# Altium PCB DRS4-PCB.PcbDoc (part 13 of 15) (continued)
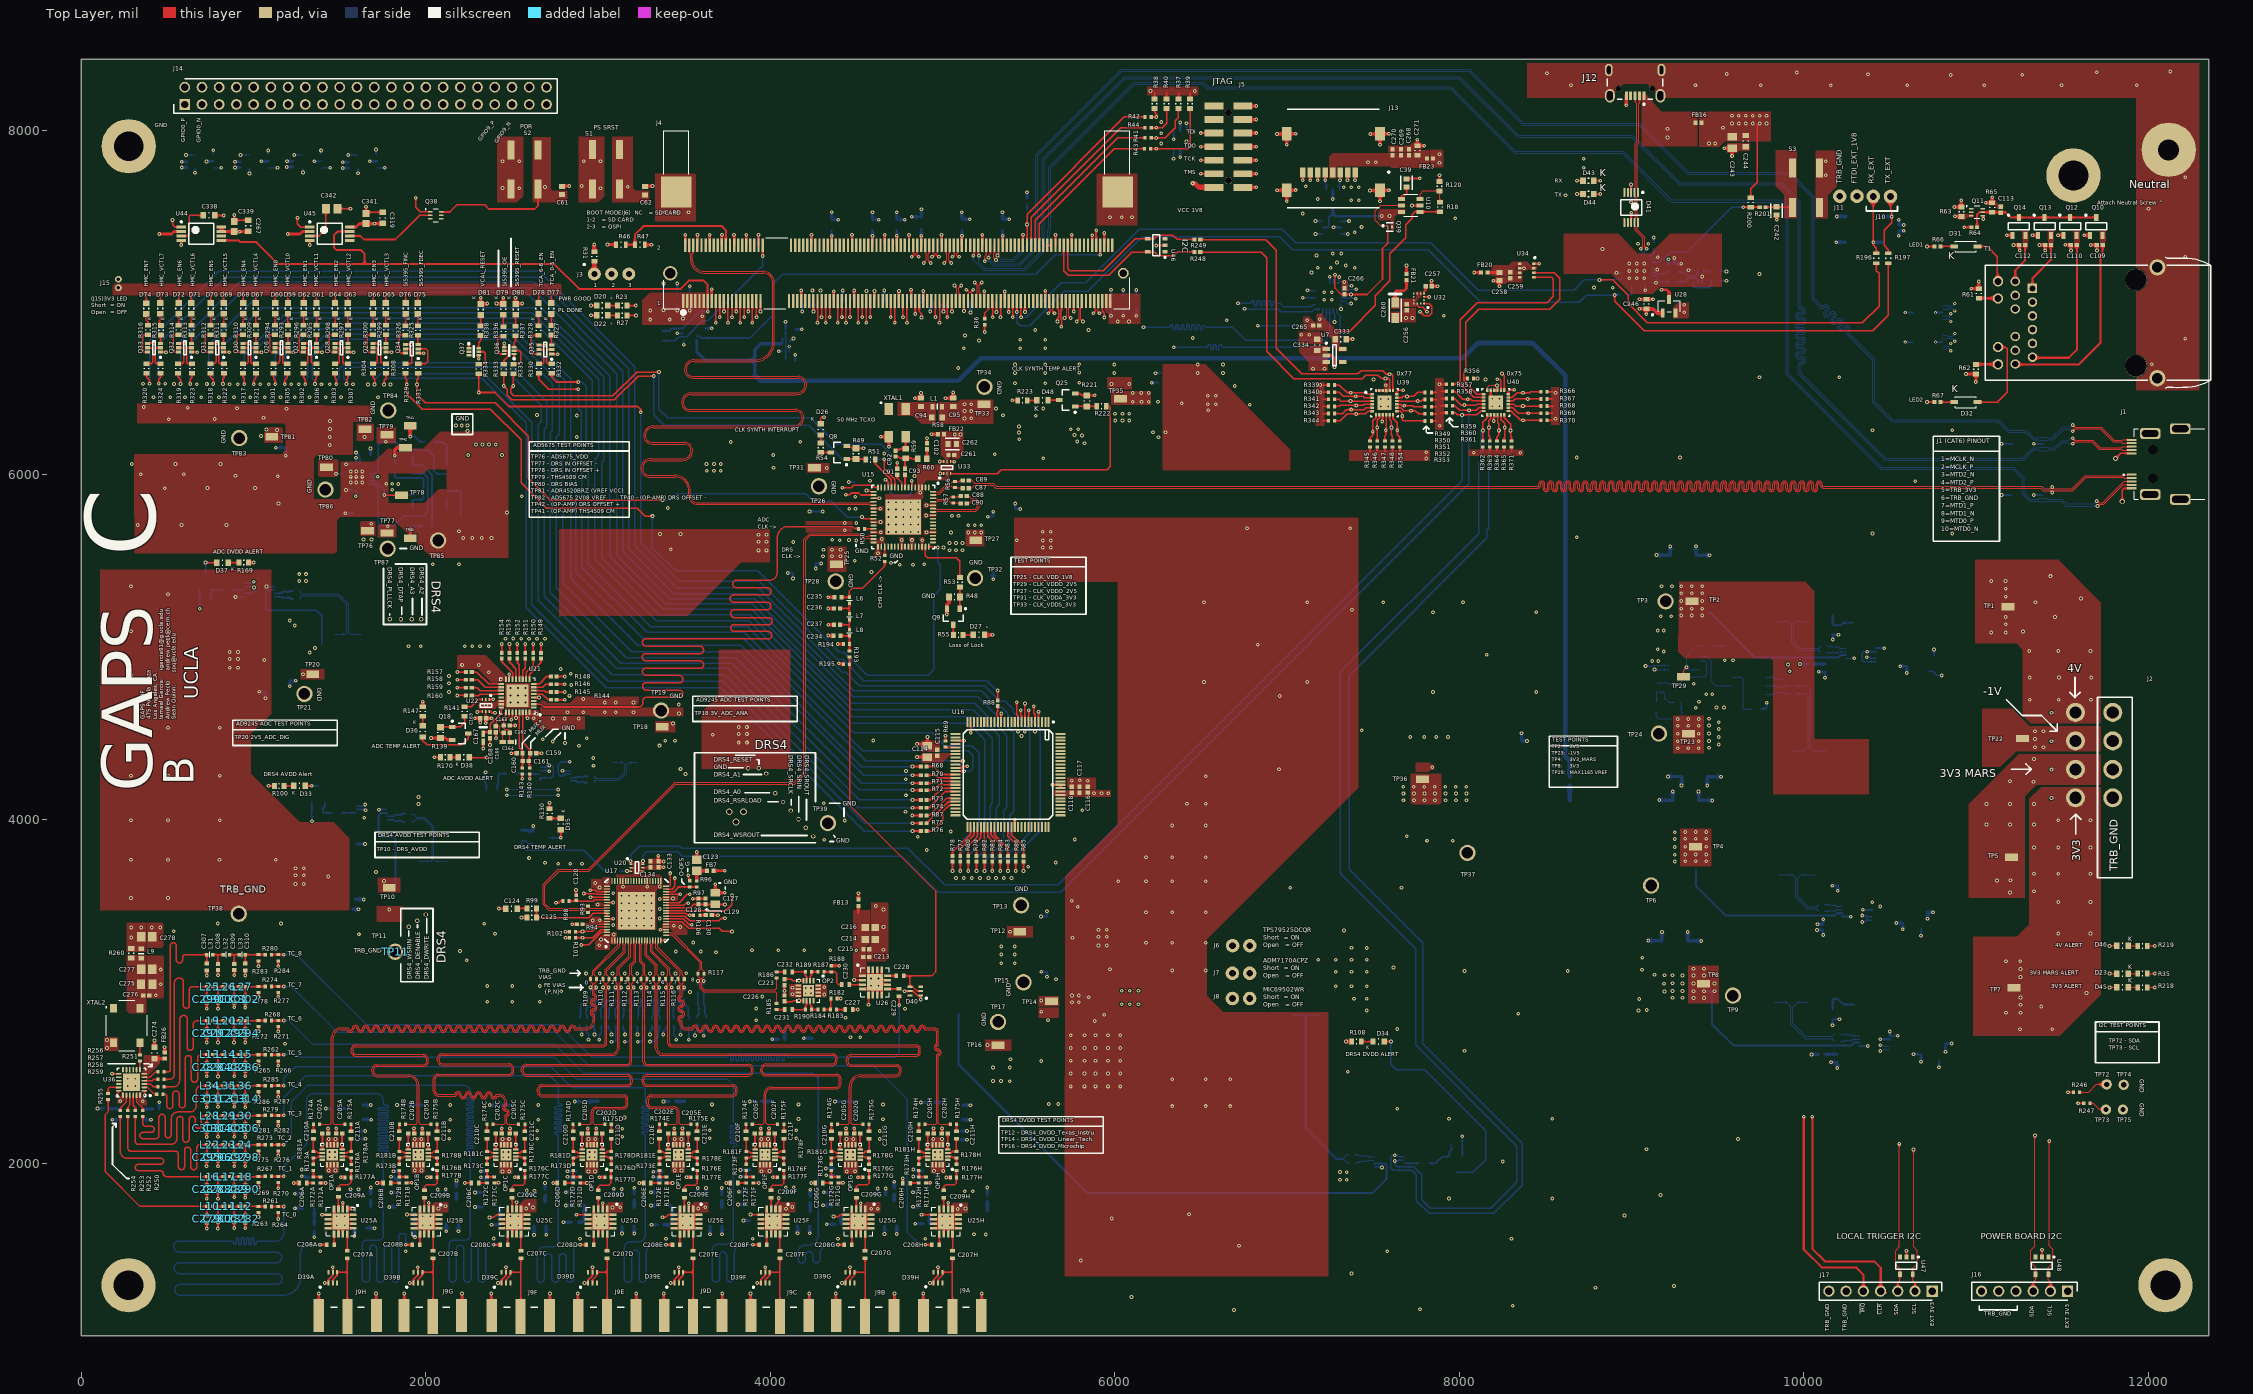
[diagram p0: Top Layer view]
## Nets (pads, with @x,y where several pads share a name; then routed paths per layer and width w, separated by ;. In a path a pad name is that pad's centre, name@x,y a point inside that pad or via, vN(x,y) a via of type N, cw(c..) or ccw(c..) an arc to the next point about the centre after c; other vN are vias at no path point) (continued)
VCC_1V0_PS: J4.42
VCC_1V8_PS: C81.1 C82.2 C83.2 C84.2 J4.94 J4.101 J4.106 J4.137 J4.146 J5.13 R31.2 R37.2 R38.2 R39.2 R40.2 R46.1 | length 5286.8
  Top Layer w5: R31.2@2977.06,7295.19 ccw(c2978.07,7295.19) R31.2@2978.07,7294.18
  Top Layer w7.87: J4.137@5241.74,7008.12 v1@5241.74,7064.95 ; 6230.35,8220.04 6230.52,8219.88 R38.2@6230.52,8180.91 ; R40.2@6299.75,8180.91 6299.75,8219.88 ; R37.2@6370.31,8179.39 6370.31,8218.35 ; R39.2@6436.42,8180.91 6436.42,8219.88
  Top Layer w11.81: J4.101@4816.58,7008.12 J4.101@4817.61,7009.12
  Top Layer w13.78: J4.94@4733.91,7331.12 v1@4733.93,7387.95 ; J4.101@4817.61,7009.12 v1@4817.61,7072.94 ; J4.106@4875.63,7331.12 v1@4875.65,7387.95 ; J4.146@5348.03,7331.12 v1@5348.05,7387.94
  Top Layer w15.75: v1(3054.4,7335.91) R46.1@3103.24,7335.91
  Top Layer w19.68: R31.2@2977.05,7295.19 v1@2977.05,7332.76
  Top Layer w27.56: v6(6451.49,7692.01) 6463.83,7692.01 6487.76,7668.08 J5.13@6575.46,7668.08
  Power Layer 10 w21.65: v1(2977.05,7335.91) v1(3054.4,7335.91) 3244.83,7335.91 3312.19,7268.55 3509.45,7268.55 3566.74,7211.26 4696.63,7211.26
  Power Layer 10 w27.56: v1@5241.74,7064.95 5241.74,7076.46 5348.03,7182.75 5348.03,7276.04 5491.77,7276.04 5549.19,7333.46 6097.74,7333.46 6141.45,7377.17 6141.45,7544.47 6141.45,7690.89 ; 5348.03,7276.96 v1@5348.03,7387.95 ; v6(6451.49,7692.01) 6142.57,7692.01 6141.45,7690.89 ; v1@6463.19,8228.83 6206.06,8228.83 6157.6,8228.83 6141.45,8212.69 6141.45,7690.89
  Bottom Layer w9.8: C82.2@5348.03,7417.13 C82.2@5348.5,7417.6
  Bottom Layer w15.75: v1@4733.9,7387.97 C84.2@4733.9,7417.6 ; v1@4875.65,7387.95 C81.1@4875.63,7428.38 ; v1@5348.03,7387.95 C82.2@5348.03,7417.13
  Bottom Layer w19.68: C83.2@4816.1,7003.82 v1@4816.1,7072.94
  other v1: 5241.97,7064.95 4816.81,7072.94 4734.17,7387.95 4875.87,7387.95 5348.27,7387.95 6206.06,8227.73 6463.19,8227.76
VCC_1V35: J4.41
VCC_3V3: C3.1 C4.1 C63.1 C64.1 C65.1 C74.1 C75.1 C76.1 C267.1 C319.1 C339.1 C341.1 D24.5 F5.1 FB2.2 J4.1 J4.3 J4.5 J4.7 J4.9 J4.11 J4.197 J4.199 TP4.1 U14.8 U44.2 U44.7 U44.8 U45.2 U45.8 | length 1984.6
  Top Layer w15.75: v1(451.94,7396.81) 522.49,7396.81 537.47,7411.79 U44.2@580.3,7411.81 ; U44.8@812.58,7437.4 U44.7@812.58,7411.81 C339.1@887.17,7411.79 918.82,7411.79 v1(919.94,7410.68) 920.86,7411.6 968.07,7411.6 C267.1@968.99,7412.52 ; v1(1197.53,7396.83) 1268.07,7396.83 1283.06,7411.81 U45.2@1325.88,7411.81 ; U45.8@1558.17,7437.4 1595.37,7437.4 1615.33,7457.36 C341.1@1652.74,7457.36 v1(1702.05,7457.36) 1702.63,7457.94 1747.7,7457.94 C319.1@1748.28,7458.52
  Bottom Layer w10: v1(3379.92,6956.38) C75.1@3379.93,6998.82 ; v1(3459.72,6952.72) C74.1@3459.72,6998.82 ; v1(3532.2,6952.72) C76.1@3532.2,6992.66 ; v1(5977.24,6922.93) C65.1@5977.23,6959.41 ; v1(6049.09,6922.93) C64.1@6049.11,6969.02 ; v1(6124.53,6922.93) C63.1@6124.53,6971.39
  Bottom Layer w11.81: 9374.44,3707.46 9374.44,3610.99 9543.74,3441.69 10179.72,3441.69 10192,3453.97 U14.8@10222.07,3453.97
  Bottom Layer w15.75: D24.5@6378.82,7993.41 v1@6378.83,8048.02
  other v1: 9249.94,3754.64 9311.05,3756.27 9372.19,3756.27 9433.1,3756.27 9249.94,3794.01 9311.05,3795.64 9372.19,3795.64 9433.1,3795.64 9249.94,3838.22 9311.05,3839.85 9433.1,3839.85 9249.94,3884.56 9311.05,3886.19 9372.19,3886.19 9433.1,3886.19 9249.94,3923.93 9311.05,3925.56 9372.19,3925.56 9433.1,3925.56 6016.33,6889.92 6082.3,6889.92 3302.6,6900.31 3415.78,6900.31 3493.15,6906.45 3604.13,6919.57 3302.6,6952.72 6378.82,8045.12
VCC_BAT: J4.200
VCC_IO_B34: C56.2 C66.1 C67.2 C68.2 C69.2 C70.1 C71.2 C72.2 C73.2 J4.53 J4.62 J4.73 J4.82 J4.117 J4.126 Q5.2 Q5.5 R25.1 R26.1 TP35.1 U13.4 | length 848.2
  Top Layer w11.81: v1@4249.71,6947.37 J4.53@4249.7,7008.12 ; v1(5005.56,6947.36) J4.117@5005.55,7008.1
  Top Layer w13.78: J4.62@4355.99,7331.12 v1@4356.01,7387.95 ; J4.73@4485.9,7008.12 v1@4485.91,7069.13 ; J4.82@4592.19,7331.12 v1@4592.21,7387.95 ; J4.126@5111.83,7331.12 v1@5111.85,7387.95
  Bottom Layer w9: Q5.5@4088.62,6711.9 Q5.2@4088.62,6776.9
  Bottom Layer w9.84: R26.1@4088.31,6664.1 Q5.5@4088.31,6711.9 ; Q5.2@4088.31,6776.9 R25.1@4088.31,6843.83
  Bottom Layer w11.81: v1(4087.99,6887.56) 4087.99,6844.32 4088.39,6843.92 R25.1@4088.31,6843.83 ; v1@4249.72,6947.36 v1@4250.06,6947.03 ; v1@4355.99,7387.95 C69.2@4355.98,7417.6
  Bottom Layer w15.75: v1@4250.06,6947.03 C67.2@4250.06,7004.09 C67.2@4250.06,7006.79 ; v1@4592.2,7387.97 C72.2@4592.2,7417.6 ; v1@5111.85,7387.95 5111.85,7417.96 C73.2@5111.94,7418.06
  Bottom Layer w19.68: C68.2@4485.08,7004.09 v1@4485.08,7069.13 ; C71.2@5004.81,7003.82 5004.81,6948.11 v1(5005.56,6947.36)
  other v1: 6104.35,6423.15 6153.98,6423.15 6197.02,6423.15 6249.91,6423.15 6104.35,6474.53 6152.87,6474.53 6197.02,6474.53 4249.96,6947.36 4486.14,7069.13 4356.22,7387.95 4592.44,7387.95 5112.09,7387.95
VDD_MARS_3V3: C51.2 C52.1 C53.1 C77.1 C78.2 C79.2 C80.2 D20.2 D21.1 D22.2 FB5.2 R21.1 TP36.1 U13.2 | length 3460.2
  Top Layer w7.87: v1(2958.26,6925) 2990.53,6924.99 2990.87,6925.34 D22.2@2991.72,6924.49 ; v1@2958.26,6983.67 2990.27,6983.67 D20.2@2991.81,6982.13
  Power Layer 9 w15: v1(2958.26,6982.13) v1(2958.26,6925) 3194.26,6689 3619,6689 3715.07,6592.93 4874.07,6592.93 4958.31,6508.69 4958.31,6369.95 5042,6286.26 5362.26,6286.26 5392,6316 5494,6316 5520,6290 5593,6290 5642,6339 5904,6339
  other v1: 7674.78,4109.95 7735.92,4109.95 7796.83,4109.95 7857.97,4109.95 7918.88,4109.95 7980.02,4109.95 8040.92,4109.95 7674.78,4149.32 7735.92,4149.32 7796.83,4149.32 7857.97,4149.32 7918.88,4149.32 7980.02,4149.32 8040.92,4149.32 7674.25,4188.55 7735.39,4188.55 7796.3,4188.55 7857.44,4188.55 7918.35,4188.55 7979.49,4188.55 8040.39,4188.55 6001.43,6314.06 6044.45,6314.06 6083.61,6314.06 6000.97,6354.33 6044.45,6354.33 6083.61,6354.33
VMON_1V2: J4.198
VOUT: J4.89
VOUT+: OP3.10 TP78.1 U37.19 | length 427.2
  Top Layer w8: v1(1758.02,5881.94) 1856.32,5881.94 TP78.1@1858.27,5880
  Bottom Layer w8: U37.19@1671.18,5966.3 1704.45,5966.3 1758.02,5912.73 v1(1758.02,5881.94) 1759.53,5880.43 1917.73,5880.43 1922.42,5885.12 OP3.10@1922.42,5904.47
VOUT-: OP3.12 TP77.1 U37.20 | length 893
  Bottom Layer w8: U37.20@1671.18,5946.61 1700.39,5946.61 1723,5924 1723,5715.36 1736.9,5701.47 v1(1777.9,5701.47) 1811.67,5701.47 1870.2,5760 1986,5760 2011,5785 2011,5981 1986.33,6005.67 OP3.12@1922.42,6005.67
XA: C93.2 U15.8 | length 73.8
  Top Layer w9.84: U15.8@4781.8,5926.47 C93.2@4781.81,6000.3
pads on no net: J1.11 J1.12 J5. J12. T1.MH1 T1.MH2 U15.5 U38.1 U38.3 U38.5 U38.7 U38.8

## Polygon pours and split planes (outlines as drawn)
-1V_IN on Bottom Layer "Power Layer 9-No Net 4" (solid, pour order 2540): 11310.03,4540.72 11204,4540.72 11204,4394.35 11231.85,4394.35 11722.59,4394.36 11722.59,4540.72
+3V3_SPM15 on Bottom Layer "Power Layer 9-No Net 3" (solid, pour order 2538): 11723.21,4376.29 11246.37,4376.29 10956.99,4086.91 10956.99,3543 11283.18,3543.01 11283.18,4133.9 11348.54,4199.26 11723.21,4199.26
+3V3_IN on Bottom Layer "Power Layer 9-No Net 1" (solid, pour order 2536): 11376.67,4184.39 11723.52,4184.4 11723.52,2979.84 11485.86,2742.17 11069.64,2742.17 11069.64,3318.52 11236.28,3318.52 11306.78,3389.01 11306.78,4119.39
+4V_IN on Bottom Layer "Power Layer 9-+4V_IN" (solid, pour order 2534): 11234.3,5021.46 11271.62,4984.14 11271.62,4603.92 11317.82,4557.72 11724.45,4557.72 11724.65,5257.26 11476.39,5505.51 11069.96,5505.51 11069.96,5021.46
TRB_GND on Bottom Layer "Bottom Layer-GND 30" (solid, pour order 2480): 29 vertices, not listed, extent 105.39,3320.44 1617.51,6409
TRB_GND on Bottom Layer "Bottom Layer-GND 68" (solid, pour order 848): 5828.77,2977.06 5852.71,2977.06 5854.13,2975.64 5854.13,2960.29 5851.66,2957.82 5816.44,2957.82 5816.44,2977.06
DRS4_2V5_ADM on Bottom Layer "Bottom Layer-NetC21_2" (solid, pour order 842): 17 vertices, not listed, extent 5809.43,2898.61 6152.82,3019.52
2V5_REF on Bottom Layer "Bottom Layer-2V5_REF" (solid, pour order 742): 1473.72,6244.46 1591.51,6244.46 1626.1,6209.86 1626.1,6042.58 1643.61,6042.58 1643.61,6064.46 1659.39,6080.23 1659.39,6280.7 1643.79,6296.29 1473.72,6296.29
NetR34_2 on Bottom Layer "Bottom Layer-NetR25_2" (solid, pour order 362): 10482.63,3475.96 10482.63,3429.72 10440.45,3429.72 10425.79,3444.39 10364.37,3444.39 10364.37,3462.6 10428.84,3462.6 10441.93,3475.69
USB_VCC on Bottom Layer "Bottom Layer-USB_VCC" (solid, pour order 64): 9230.26,7239.93 9191.21,7239.92 9173.96,7222.67 9105.85,7222.67 9105.85,7204.09 9155.38,7204.09 9230.26,7204.09
TRB_GND on Bottom Layer " " (solid, pour order 2524): 23 vertices, not listed, extent 1789.12,4524 3199.65,5402.88
"3V ADC" on Bottom Layer "Bottom Layer-ADC_AVDD" (solid, pour order 500): 2959.07,4600.16 2712.4,4600.16 2686.76,4625.81 2468.5,4625.81 2468.5,4516 2959.07,4516
NetF4_2 on Bottom Layer "Bottom Layer-NetF4_2" (solid, pour order 2646): 10566,4344 10490.74,4419.26 10263.07,4419.26 10228.65,4453.68 10062.73,4453.68 10062.73,4538 10218.3,4538 10230.57,4550.26 10547,4550.26 11102,4550.26 11102,4344
TRB_GND on Bottom Layer "TRB_GND_L12_P2643" (solid, pour order 2643): 9166,4928 9160,4932 9114,4932 9108,4926 9108,4912 9114,4906 9163.24,4906 9168.24,4911 9247,4911 9247,4928
TRB_GND on Bottom Layer "TRB_GND_L12_P2642" (solid, pour order 2642): 9245,5052 9245,5110 9136,5110 9136,5052
3.3V on Bottom Layer "3.3V_L12_P2641" (solid, pour order 2641): 9139,5025.14 9139,4971.69 9174.69,4936 9246,4936 9246,5025.14
TRB_GND on Bottom Layer "TRB_GND_L12_P2640" (solid, pour order 2640): 9393,4698 9388.3,4703 9388.3,4735.68 9361,4735.68 9361,4703 9360,4703 9355,4698 9313,4698 9313,4616 9406,4616 9406,4698
TRB_GND on Bottom Layer "TRB_GND_L12_P2637" (solid, pour order 2637): 9555,4700 9475,4700 9475,4635 9555,4635
TRB_GND on Bottom Layer "TRB_GND_L12_P2639" (solid, pour order 2639): 9565,4940.12 9554,4951.12 9554,4982 9518.73,4982 9518.73,4939.98 9518.73,4863 9626,4863 9626,4940.12
3.3V on Bottom Layer "3.3V_L12_P2638" (solid, pour order 2638): 9904,4840 9890.77,4853.23 9844.77,4853.23 9835,4863 9735,4863 9735,4889 9873,4889 9898.06,4914.06 9928.94,4914.06 9940,4903 9940,4852 9928,4840
3.3V on Bottom Layer " " (solid, pour order 2510): 7135,2922.02 7332.52,2922.02 7410.94,2843.6 7515.18,2843.6 7515.18,3289.31 7346.41,3289.31 7309.69,3252.59 7135,3252.59
NetJ6_1 on Bottom Layer " " (solid, pour order 2504): 7080,3253.02 6913.73,3253.02 6835.31,3331.44 6731.07,3331.44 6731.07,2885.73 6899.84,2885.73 6936.56,2922.45 7080,2922.45
ADC_AVDD on Bottom Layer " " (solid, pour order 2286): 2988.74,4384.43 2988.74,4482.86 2965.3,4505.66 2965.3,4597.59 3135.91,4597.59 3135.91,4384.43
ADC_DVDD on Bottom Layer " " (solid, pour order 2284): 1742.1,4867.88 1731.65,4867.88 1708.39,4891.14 1708.39,5019.36 1570.15,5019.37 1569.85,4811.26 1742.1,4810.89
2V5_DRS_ANA on Bottom Layer "Bottom Layer-2V5_DRS_ANA" (solid, pour order 554): 2015,3700 1807.14,3700 1746.05,3638.92 1629.21,3638.92 1446.84,3638.92 1446.84,3593.25 1547.62,3593.23 1578.62,3562.24 1669.38,3562.24 1745.73,3493.04 2015,3493.04
2V5_ADC_DIG on Bottom Layer "Bottom Layer-2V5_ADC_DIG" (solid, pour order 528): 1340.07,4900.6 1388.34,4948.86 1388.33,5020.2 1520,5020.2 1520,4811.32 1269.99,4811.32 1235.69,4845.62 1060.16,4845.62 1060.12,4900.46
3V_ADC_ANA on Bottom Layer "Bottom Layer-3V_ADC_ANA" (solid, pour order 504): 3188.34,4382.8 3306.72,4382.8 3306.72,4505.03 3318.85,4517.39 3653.41,4517.39 3647.94,4522.86 3647.94,4564.95 3481.63,4564.95 3453.12,4593.45 3188.34,4593.45
DRS4_AVDD on Bottom Layer "Bottom Layer-DRS4_AVDD" (solid, pour order 466): 2869.4,3457.22 2895.63,3457.22 2936.45,3416.41 2936.45,3246.49 3028.86,3246.49 3028.86,3666.07 2546.86,3666.07 2513.28,3699.65 2065,3699.65 2065,3486.26 2405.16,3486.26 2434.65,3457.23
3.3V on Bottom Layer "Bottom Layer-3.3V 7" (solid, pour order 388): 20 vertices, not listed, extent 9311.05,4620 9625,4804
NetFB4_1 on Bottom Layer "Bottom Layer-NetFB4_1" (solid, pour order 296): 9839.1,4405.1 9848,4414 9848,4441.91 9859.77,4453.68 9998,4453.68 9998,4534.6 9926.26,4534.6 9879.26,4581.6 9771.26,4581.6 9771.26,4405.1
NetFB3_1 on Bottom Layer "Bottom Layer-NetFB4_1" (solid, pour order 274): 9759.62,2988.1 9702.81,3044.9 9645.23,3044.9 9645.23,3227.53 9901,3227.53 9901,2988.1
NetD7_1 on Bottom Layer "Bottom Layer-3V3_BUS" (solid, pour order 272): 9960.54,3226.7 10345.48,3226.7 10345.48,3070.5 10197.87,3070.5 10117.17,2989.8 9960.54,2989.8
NetFB2_1 on Bottom Layer "Bottom Layer-NetFB4_1" (solid, pour order 290): 9748.29,3774.71 9793,3730 9923.44,3730 9923.44,3951.21 9664.3,3951.21 9664.3,3774.71
NetD6_1 on Bottom Layer "Bottom Layer-3V3_BUS" (solid, pour order 284): 9993.8,3730.57 9992.57,3729.34 10120.87,3729.34 10188.85,3797.32 10352.86,3797.32 10353.28,3953.96 9993.8,3953.96
NetFB1_1 on Bottom Layer "Bottom Layer-NetFB4_1" (solid, pour order 324): 9902,5414.71 9648,5414.71 9648,5186.89 9740.58,5186.89 9762.18,5208.49 9902,5208.49
NetD5_1 on Bottom Layer "Bottom Layer-3V3_BUS" (solid, pour order 322): 9966,5385 10358.5,5385 10358.5,5279.66 10169.76,5279.66 10096.1,5206 9966,5206
4V on Bottom Layer "Bottom Layer-3.3V 18" (solid, pour order 708): 5844,6236.73 5779.86,6301.4 5473.47,6301.4 5473.47,6256.83 5704.83,6256.83 5758.25,6203.41 5758.25,6150 5844,6150
TRB_GND on Bottom Layer "Bottom Layer-GND 34" (solid, pour order 520): 3826.83,4626.49 4251.2,4202.12 4251.2,3967.53 3916.73,3967.53 3658.32,3967.53 3658.32,4460.19 3651.29,4467.22 3543.41,4467.22 3533.59,4457.4 3479.38,4457.4 3452.36,4484.42 3452.36,4512.79 3654.67,4512.79 3654.84,4626.38
TRB_GND on Bottom Layer "Bottom Layer-GND 53" (solid, pour order 614): 4869.58,5528.36 4915.05,5528.36 4915.21,5475.42 4908.31,5468.52 4874.54,5468.52 4869.58,5476.57
DRS4_DVDD on Bottom Layer "Bottom Layer-GND 27" (solid, pour order 2514): 41 vertices, not listed, extent 3374.85,2623.88 5746.04,3729.28
TRB_GND on Bottom Layer " " (solid, pour order 2454): 36 vertices, not listed, extent 1513.05,2851.31 4573.43,3689.39
TRB_GND on Bottom Layer "Bottom Layer-GND 38" (solid, pour order 502): 2616.13,4509.1 2825.25,4509.1 2944.38,4509.1 2944.62,4401.78 2737.18,4401.78 2694.97,4443.99 2616.13,4443.99
TRB_GND on Bottom Layer "Bottom Layer-No Net 18" (solid, pour order 972): 3560.45,6831.06 3573.07,6831.06 3608.87,6866.86 3645.78,6866.86 3645.78,6812.65 3559.9,6812.65 3560.45,6813.2
NetC197D_1 on Bottom Layer "Bottom Layer--1V 7" (solid, pour order 1332): 2996.72,1724.48 2996.72,1924.64 3023.42,1952.3 3023.42,1975.16 2887.09,1975.16 2887.09,1896.9 2884.9,1894.72 2885.07,1724.48
TRB_GND on Bottom Layer "Bottom Layer-GND 98" (solid, pour order 1388): 4082.02,2222.32 4093.08,2211.26 4093.08,2121.02 4192.88,2121.02 4192.88,2385.75 4082.02,2385.75
TRB_GND on Bottom Layer "Bottom Layer-GND 98" (solid, pour order 1362): 3578.91,2224.05 3589.97,2212.99 3589.97,2122.76 3689.77,2122.76 3689.77,2385.05 3578.91,2385.05
TRB_GND on Bottom Layer "Bottom Layer-GND 98" (solid, pour order 1338): 3075.72,2234.69 3086.78,2223.63 3086.78,2124.53 3186.58,2124.53 3186.58,2394.17 3075.72,2394.17
TRB_GND on Bottom Layer "Bottom Layer-GND 98" (solid, pour order 1316): 2581.47,2223.7 2592.53,2212.64 2592.53,2126.61 2692.33,2126.61 2692.33,2379.33 2581.47,2379.33
NetC197C_1 on Bottom Layer "Bottom Layer--1V 8" (solid, pour order 1310): 2386.06,1719.52 2361.56,1719.52 2361.42,1865.28 2374.61,1878.46 2374.61,1970.2 2524.41,1970.2 2524.41,1719.52
TRB_GND on Bottom Layer "Bottom Layer-GND 98" (solid, pour order 1290): 2070.75,2223.7 2081.81,2212.64 2081.81,2126.61 2181.61,2126.61 2181.61,2379.88 2070.75,2379.88
NetC197A_1 on Bottom Layer "Bottom Layer--1V 2" (solid, pour order 1272): 1457.31,1804.38 1457.31,1672.19 1320.37,1672.19 1320.38,1707.76 1319.72,1707.76 1319.72,1857.6 1337.99,1875.87 1337.99,1992.2 1524.33,1992.2 1524.33,1871.41
NetC86_2 on Bottom Layer "Bottom Layer-NetC85_2" (solid, pour order 1080): 4563.11,6065.56 4665.1,6065.56 4681.65,6049.01 4681.65,5949.64 4646.3,5949.64 4646.1,5949.83 4646.1,5991.24 4639.46,5997.88 4564.67,5997.88 4564.66,5997.88
3.3V on Bottom Layer "Bottom Layer-3.3V 34" (solid, pour order 918): 1744.13,4068.23 1909.3,4068.23 1909.68,4067.86 1988.84,4067.86 1988.85,4107.83 1913.68,4107.83 1913.3,4108.21 1909.31,4104.22 1815.94,4104.22 1804.21,4092.49 1744.13,4092.49
NetC323_1 on Bottom Layer "Bottom Layer-3.3V 16" (solid, pour order 744): 1101.24,6187.63 1222.32,6187.63 1231.84,6197.15 1400.69,6197.15 1400.69,6246.77 1302.94,6246.77 1274.98,6274.72 1101.24,6274.72
TRB_GND on Bottom Layer "Bottom Layer-GND 33" (solid, pour order 526): 2170.06,4939.45 2182.64,4952.03 2410.45,4952.03 2410.45,5022.92 1756.93,5022.66 1756.93,4939.45
FTDI_EXT_1V8 on Bottom Layer "Bottom Layer-FTDI_EXT_1V8" (solid, pour order 252): 10422.56,7379.77 10489.06,7379.77 10489.06,7426.77 10497.06,7434.77 10564.56,7434.77 10564.56,7466.27 10538.06,7466.27 10537.56,7465.77 10422.56,7465.77
TRB_GND on Bottom Layer "TRB_GND_L12_P2620" (solid, pour order 2620): 1846,5930.07 1846,5929 1812,5895 1794.77,5895 1748,5942 1748,5966.3 1782,5966.3 1964.05,5966.3 1964.05,5930.07
TRB_GND on Bottom Layer "TRB_GND_L12_P2619" (solid, pour order 2619): 2169,5721 2411,5721 2411,5616 2169,5616
NetC326_1 on Bottom Layer "NETC326_1_L12_P2618" (solid, pour order 2618): 2411,5736 2240.69,5736 2240.69,5935 2122,5935 2122,5975 2411,5975
3.3V on Bottom Layer "Bottom Layer-3.3V 33" (solid, pour order 900): 2226.22,6038 2226.22,6216.37 2225.01,6217.58 2462.27,6217.58 2463.78,6219.09 2463.78,6038
NetC197E_1 on Bottom Layer "Bottom Layer--1V 6" (solid, pour order 1364): 3385.99,1716.73 3385.81,1894.72 3387.99,1896.9 3387.99,1975.16 3524.33,1975.16 3524.33,1716.73
NetR216_2 on Bottom Layer "Bottom Layer-NetR209_2" (solid, pour order 396): 10502.46,4980.61 10470.96,4980.61 10452.66,4962.3 10388.48,4962.3 10388.48,4944.69 10452.95,4944.39 10471.65,4925.69 10502.46,4925.69
NetR215_2 on Bottom Layer "Bottom Layer-NetR208_2" (solid, pour order 336): 10578.5,2723.29 10578.5,2677.5 10579,2677 10545,2677 10527.5,2694.5 10470,2694.5 10470,2711.5 10535.71,2711.5 10547.5,2723.29
NetC197G_1 on Bottom Layer "Bottom Layer--1V 4" (solid, pour order 1420): 4480.91,1670.58 4480.91,1763.9 4554.37,1837.37 4554.37,2005.81 4386.93,2005.81 4386.93,1871.85 4386.93,1670.58
NetC197F_1 on Bottom Layer "Bottom Layer--1V 5" (solid, pour order 1384): 3982.24,1644.53 3982.24,1753.18 4031.61,1802.71 4031.61,2004.35 3897,2004.35 3897,1644.53
DRS4_2V5_MIC on Bottom Layer "Bottom Layer-NetC18_2" (solid, pour order 822): 5324.02,2572.65 5706.71,2572.65 5707.49,2573.43 5707.49,2470.65 5708.4,2469.74 5610.67,2469.74 5588.65,2491.76 5431.63,2491.76 5400.83,2460.96 5277.51,2460.96 5271.04,2467.44 5271.04,2564.46 5279.22,2572.65
3.3V on Bottom Layer "Bottom Layer-3.3V" (solid, pour order 276): 9534.1,3233.97 9534.1,2948.06 9444.98,2948.06 9357.5,2860.58 9009.1,2860.58 9009.1,3233.97
4V on Bottom Layer "Bottom Layer-3.3V" (solid, pour order 326): 9439.28,5462.42 9501.15,5400.56 9539.94,5400.56 9539.94,5218.56 9540.94,5217.56 9484.98,5217.56 9401.13,5133.71 9124.53,5133.71 9124.53,5462.42
VCC_3V3 on Bottom Layer "Bottom Layer-3.3V" (solid, pour order 292): 9462,4048.59 9462,4016.55 9528.05,3950.5 9566,3950.5 9566,3768.5 9567,3767.5 9511.04,3767.5 9438.54,3695 9078.44,3695 9078.44,4048.59
NetC197H_1 on Bottom Layer "Bottom Layer--1V 3" (solid, pour order 1444): 4987.46,1677.94 4987.46,1766.5 5073.13,1852.17 5073.72,1879.49 5073.72,1980.28 4902.09,1980.28 4902.09,1868.58 4896.81,1863.31 4896.81,1677.94
NetC196H_1 on Bottom Layer "Bottom Layer-4V 3" (solid, pour order 1440): 4883.58,2223.15 4981.14,2320.7 4981.14,2391.1 5079.25,2391.1 5079.25,2222.01 5087.72,2213.54 5087.72,2118.86 4883.58,2118.86
NetC196G_1 on Bottom Layer "Bottom Layer-4V 4" (solid, pour order 1416): 4382.87,2239.13 4480.55,2336.81 4480.55,2393.8 4577.36,2393.8 4579.37,2213.5 4584.13,2208.74 4584.13,2123.5 4583.66,2123.03 4383.43,2123.03 4382.87,2123.58
NetC196F_1 on Bottom Layer "Bottom Layer-4V 5" (solid, pour order 1386): 3888.07,2229.24 3986.32,2327.49 3986.32,2388.01 4084.57,2387.31 4084.57,2213.5 4089.33,2208.74 4089.33,2123.5 4088.86,2123.03 3888.62,2123.03 3888.07,2123.58
NetC196E_1 on Bottom Layer "Bottom Layer-4V 6" (solid, pour order 1360): 3385,2234.67 3483.25,2332.91 3483.25,2384.58 3581.5,2384.58 3581.5,2213.5 3586.26,2208.74 3586.26,2123.5 3585.79,2123.03 3385.55,2123.03 3385,2123.58
NetC196D_1 on Bottom Layer "Bottom Layer-4V 7" (solid, pour order 1336): 2881.61,2236.64 2966.13,2321.17 2966.13,2396.02 2982.87,2396.02 3070.83,2396.02 3070.83,2239.76 3082.72,2227.87 3082.72,2124.29 2881.85,2124.29
NetC196C_1 on Bottom Layer "Bottom Layer-4V" (solid, pour order 1314): 2388.25,2237.37 2473.38,2322.5 2473.38,2377.83 2567.13,2377.83 2567.13,2226.57 2588.31,2205.39 2588.31,2126.74 2388.25,2126.74
NetC196A_1 on Bottom Layer "Bottom Layer-4V 2" (solid, pour order 1276): 1512.14,2377.32 1512.14,2290.84 1408.66,2187.37 1407.72,2166.35 1407.72,2126.58 1428.11,2126.61 1598.82,2126.61 1598.62,2127.28 1598.62,2377.32
NetC217_1 on Bottom Layer "Bottom Layer-4V 1" (solid, pour order 1142): 4151.89,2752.79 4016.93,2752.79 4016.93,3040.98 4151.89,3040.98 4151.89,2925.16
3.3V on Bottom Layer "Bottom Layer-3.3V 34" (solid, pour order 924): 2810.67,4288.23 2975.85,4288.23 2976.22,4287.86 2991.93,4287.86 2991.93,4324.22 2983.85,4324.22 2979.66,4324.22 2975.85,4324.22 2882.48,4324.22 2870.75,4312.49 2810.67,4312.49
3.3V on Bottom Layer "Bottom Layer-3.3V 20" (solid, pour order 668): 5333.17,5587.58 5438.74,5587.58 5438.74,5549.66 5336.85,5549.66 5325.59,5538.4 5002.33,5538.4 5002.33,5621.69 5001.95,5622.07 5239.31,5622.07 5273.81,5587.58
TRB_GND on Bottom Layer "Bottom Layer-GND 44" (solid, pour order 666): 7056.92,5140.19 6231.88,4315.15 5701.17,4315.15 5701.17,4705.64 5476.54,4930.26 5476.54,5080.46 5476.54,5591.37 5473.31,5594.6 5321.5,5594.6 5269.77,5595.52 5269.77,5649.74 5476.54,5649.74 5476.54,5943 7056.92,5943
CLK_VDDO_2V5 on Bottom Layer "Bottom Layer-CLK_VDDO_3V3" (solid, pour order 590): 4566.17,5906.84 4566.17,5777.25 4656.19,5777.25 4656.19,5906.84
NetC197B_1 on Bottom Layer "Bottom Layer--1V" (solid, pour order 572): 1959.46,1682.95 1959.46,1778.57 2032.05,1851.41 2032.05,1977.94 1866.34,1977.94 1866.34,1806.3 1866.34,1682.95
NetC196B_1 on Bottom Layer "Bottom Layer-4V" (solid, pour order 570): 1878.8,2220.01 1946.8,2288.01 1946.8,2380.98 2057.68,2380.98 2057.68,2226.57 2078.86,2205.39 2078.86,2126.74 1878.8,2126.74
VDD_MARS_3V3 on Bottom Layer "Bottom Layer-VDD_MARS_3V3" (solid, pour order 416): 7742.98,4410.72 7626.22,4410.72 7626.22,4342.23 7626.22,3992.29 8067.58,3992.29 8067.58,4410.73
NetF1_2 on Bottom Layer "Bottom Layer-NetF3_2" (solid, pour order 328): 10410,5052.38 10431.78,5052.38 10457.66,5023.88 10944.6,5023.88 10944.6,5503.8 10410,5503.8
NetD19_1 on Bottom Layer "Bottom Layer-NetCR5_1" (solid, pour order 414): 8485.34,4405.11 8485.34,3661.86 8101.1,3661.86 8101.09,4157.89 8140.73,4157.88 8163.21,4180.37 8163.22,4405.11
NetC55_1 on Bottom Layer "Bottom Layer-NetC60_1" (solid, pour order 412): 8719.75,3949.43 8705.6,3963.58 8570.77,3963.58 8570.77,4154.63 8719.98,4154.63 8719.98,4049.7 8749.9,4019.78 8818.6,4019.78 8818.6,3964.07 8819.09,3963.58 8766.34,3963.58 8752.19,3949.43
NetC55_2 on Bottom Layer "Bottom Layer-NetC60_2" (solid, pour order 410): 8766.76,3947.34 8762.53,3943.11 8571.06,3943.11 8571.06,3760.98 8738.72,3760.98 8806,3693.7 8926.08,3693.7 8927.07,3692.72 8927.07,3947.34
NetD6_2 on Bottom Layer "Bottom Layer-NetCR2_2" (solid, pour order 310): 10375.88,3741 10235.79,3741 10206.59,3770.2 10169.79,3770.2 10169.79,3646.5 10215.79,3646.5 10239.29,3670 10375.88,3670
NetF2_2 on Bottom Layer "Bottom Layer-NetF3_2" (solid, pour order 286): 10938.04,4080.5 10938.04,3560.14 10433.09,3560.14 10433.09,4080.5
NetF3_2 on Bottom Layer "Bottom Layer-NetF3_2" (solid, pour order 270): 10718.62,3279.97 10760.3,3321.65 10941.31,3321.65 10941.31,2752.9 10648.9,2752.9 10599.94,2801.86 10433.88,2801.86 10433.88,3279.97
3.3V on Bottom Layer " " (solid, pour order 2568): 1615.43,5607.98 1615.43,5689.1 1702.64,5689.1 1702.64,5607.98
3.3V on Bottom Layer " " (solid, pour order 2566): 1029.08,6274.72 1095.26,6274.72 1095.26,6186.63 1029.08,6186.63
NetC50_2 on Bottom Layer "Bottom Layer-NetC56_2" (solid, pour order 710): 5468.9,6220.93 5551.32,6220.93 5569.09,6238.7 5711.25,6238.7 5741.11,6208.84 5741.11,6158.55 5740.74,6158.17 5468.9,6158.17
NetC28_2 on Bottom Layer "Bottom Layer-NetC34_2" (solid, pour order 548): 1076.37,5000.87 1157.14,5000.87 1186.27,5030 1373.26,5030 1373.8,5030.54 1373.8,5086.5 1076.37,5086.5
3.3V on Bottom Layer "Bottom Layer-3.3V 14" (solid, pour order 546): 1073.81,4956.95 1365.92,4956.95 1373.91,4964.95 1373.91,5018.48 1182.92,5018.48 1154.82,4990.39 1073.81,4990.39
TRB_GND on Bottom Layer "Bottom Layer-GND 86" (solid, pour order 1126): 7648.29,3981.34 8021.7,3981.34 8022.2,3835.11 7648.29,3835.11
-1V on Bottom Layer "Bottom Layer-3.3V" (solid, pour order 298): 9572.85,4605 9597.5,4580.35 9661,4580.35 9661,4398.35 9662,4397.35 9606.04,4397.35 9522.19,4313.5 9221.5,4313.5 9221.5,4605
TRB_GND on Bottom Layer "Bottom Layer-GND 129" (solid, pour order 2520): 8201.41,6537.46 8136.62,6537.46 8136.62,6587.86 8201.02,6587.86
TRB_GND on Bottom Layer " " (solid, pour order 2512): 2129.07,2913.66 2161.71,2913.66 2161.71,2851.25 2129.07,2851.25
NetC8_1 on Bottom Layer "Bottom Layer-NetC11_1" (solid, pour order 556): 1426.86,3586.19 1544.62,3586.19 1556.13,3574.68 1556.13,3452.03 1480.04,3452.03 1480.04,3506.83 1426.79,3560.08
TRB_GND on Bottom Layer "Bottom Layer-GND 73" (solid, pour order 928): 7463.09,1930.1 7371.36,1930.23 7365.84,1924.71 7326.46,1924.71 7288.82,1924.71 7288.82,1891.05 7459.41,1890.72 7463.09,1894.4
TRB_GND on Bottom Layer " " (solid, pour order 2016): 22 vertices, not listed, extent 5573.7,2313.17 6701.95,4296.01
DRS4_2V5_TPS on Bottom Layer "Bottom Layer-3.3V 12" (solid, pour order 450): 5298.2,3150.64 5461.21,3150.63 5461.21,3197.58 5511.2,3197.58 5524.29,3210.67 5630.09,3210.67 5657.26,3237.84 5744.96,3237.84 5745.25,3282.72 5537.08,3282.92 5298.2,3282.91
3.3V on Bottom Layer "Bottom Layer-3.3V 23" (solid, pour order 812): 1533.16,7800.27 1634.24,7800.27 1634.24,7833.35 1579.86,7833.35 1577.27,7835.94 1533.19,7835.94
3.3V on Bottom Layer "Bottom Layer-3.3V 24" (solid, pour order 804): 1211.4,7805.51 1314.53,7805.51 1314.53,7829.7 1310.69,7833.54 1256.32,7833.54 1253.73,7836.12 1211.42,7836.12
TRB_GND on Bottom Layer "Bottom Layer-GND 41" (solid, pour order 740): 1581.94,5855.1 1581.94,5833.35 1551.87,5803.28 1551.87,5746.77 1607.88,5746.77 1607.88,5855.1
VCC_IO_B34 on Bottom Layer "Bottom Layer-GND 75" (solid, pour order 2402): 4987.52,6974.63 4987.52,7036.91 5119.6,7036.91 5119.6,6974.63
NetC192G_2 on Bottom Layer "Bottom Layer-3.3V 38" (solid, pour order 1424): 4573.35,1747.95 4572.69,1798.96 4759.02,1798.96 4759.02,1667.01 4573.35,1667.84
NetC192F_2 on Bottom Layer "Bottom Layer-3.3V 39" (solid, pour order 1390): 4148.5,1806.35 4202.39,1752.46 4253.77,1752.46 4253.77,1670.64 4066.97,1670.64 4066.97,1806.35
NetC192D_2 on Bottom Layer "Bottom Layer-3.3V 41" (solid, pour order 1340): 3149.38,1800.03 3184.42,1765 3241.25,1765 3241.25,1670.32 3068.54,1670.32 3068.54,1800.03
NetC192C_2 on Bottom Layer "Bottom Layer-3.3V 42" (solid, pour order 1318): 2724.27,1740.45 2707.01,1757.7 2707.01,1791.81 2655.94,1791.81 2552.01,1791.81 2552.01,1670.86 2724.27,1670.86
NetC192A_2 on Bottom Layer "Bottom Layer-3.3V 36" (solid, pour order 1256): 1623.33,1799.18 1662.04,1760.46 1697.14,1760.46 1697.17,1659.67 1544.83,1659.32 1544.55,1799.18